# Altium PCB RTM_4SFP_3QSFP.PcbDoc (part 3 of 4) (continued)
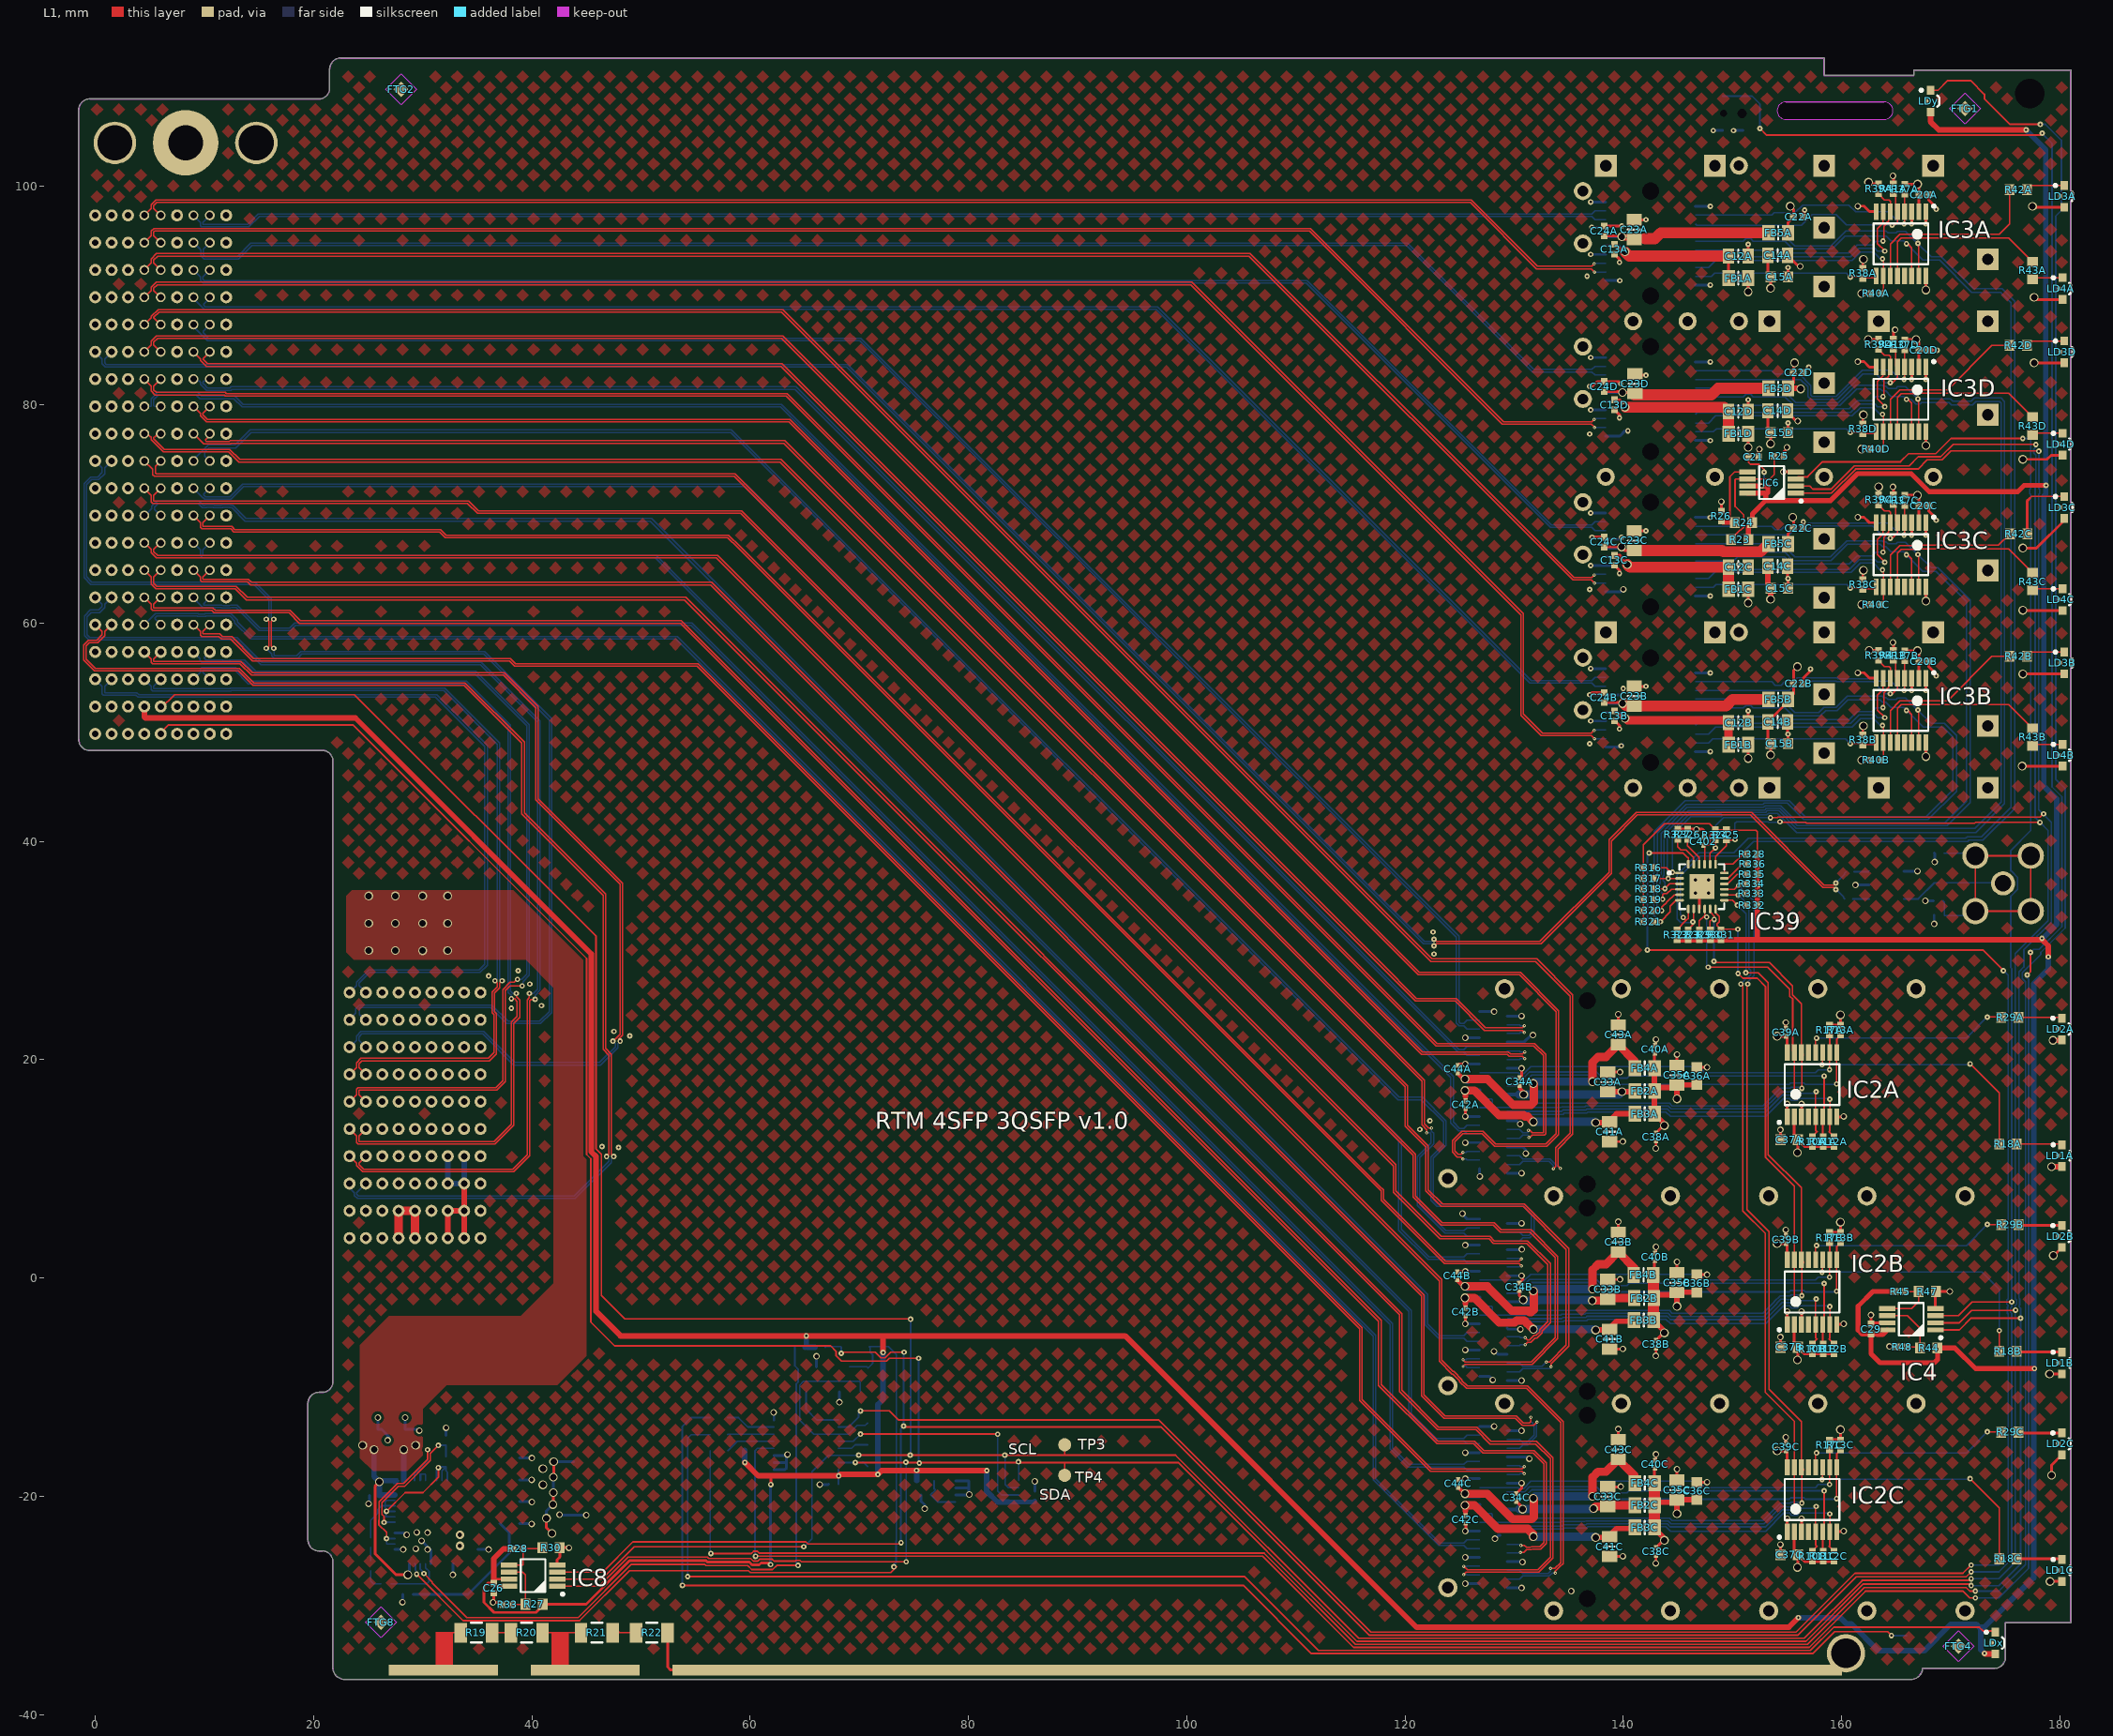
[diagram p0: L1 view]
## Nets (pads, with @x,y where several pads share a name; then routed paths per layer and width w, separated by ;. In a path a pad name is that pad's centre, name@x,y a point inside that pad or via, vN(x,y) a via of type N, cw(c..) or ccw(c..) an arc to the next point about the centre after c; other vN are vias at no path point) (continued)
  L1 w0.152: v1(29.454,-27.138) 33.713,-31.397 44.37,-31.397 48.949,-26.818 59.85,-26.818 60.027,-26.996 72.877,-26.996 73.431,-26.441
  L4 w0.152: IC1.38@29.266,-26.178 29.341,-26.254 29.341,-26.778 29.454,-26.892 v1(29.454,-27.138) ; T1.3@69.136,-8.139 70.7,-8.139 70.807,-8.245 R35.2@71.238,-7.814 71.238,-7.045 71,-6.807 71,-6.378 D1.2@70.911,-6.289 72.669,-6.289 73.406,-7.026 73.406,-24.048 73.385,-24.069 73.385,-25.963 73.431,-26.01 73.177,-26.264 v1(73.177,-26.467)
NetIC1_4: IC1.4 IC1.43 IC1.44 TP1.1 | length 16
  L1 w0.152: v1(26.691,-23.878) 26.691,-23.304 25.986,-22.6 25.986,-22.204 26.009,-22.181 26.009,-20.496 27.673,-18.832 28.252,-18.832 30.448,-16.636 v1(30.448,-15.735)
  L4 w0.152: IC1.43@27.466,-24.378 26.734,-24.378 26.691,-24.335 v1(26.691,-23.878) IC1.44@27.466,-23.878 ; IC1.4@29.266,-18.578 29.266,-17.916 TP1.1@30.303,-16.878 30.448,-16.734 v1(30.448,-15.735)
NetIC1_5: IC1.5 IC1.6 | length 2.2
  L4 w0.152: 29.816,-18.028 29.816,-18.528 IC1.5@29.766,-18.578 29.766,-17.978 30.21,-17.978 30.266,-18.035 IC1.6@30.266,-18.578
NetIC1_37: IC1.37 R46.2 T2.1 TP2.1 | length 59.4
  L1 w0.152: v1(30.115,-27.087) 30.877,-27.849 30.877,-27.947 34.047,-31.117 44.254,-31.117 49.133,-26.239 55.829,-26.239 55.952,-26.361 59.788,-26.361 60.143,-26.717 62.062,-26.717 62.439,-26.34 v1(64.389,-26.34)
  L4 w0.152: IC1.37@29.766,-26.178 29.766,-26.661 v1@30.013,-26.908 ; R46.2@64.091,-6.363 64.091,-8.044 T2.1@64.186,-8.139 64.389,-8.342 64.389,-9.551 64.237,-9.704 64.237,-26.187 v1(64.389,-26.34)
NetIC2A_11: IC2A.11 R18A.1 | length 23.2
  L1 w0.127: v1(158.217,19.533) 158.275,19.591 IC2A.11@158.275,20.65 ; v1(171.78,19.609) 174.441,16.948 R18A.1@174.441,12.275
  L4 w0.127: v1(158.217,19.533) 171.704,19.533 v1(171.78,19.609)
NetIC2A_12: IC2A.12 R29A.1 | length 19.1
  L1 w0.127: IC2A.12@157.625,20.65 157.625,21.887 v1(157.709,21.971) ; v1(173.355,23.901) 174.598,23.901 R29A.1@174.624,23.875
  L4 w0.127: v1(157.709,21.971) 171.425,21.971 v1(173.355,23.901)
NetIC2B_11: IC2B.11 R18B.1 | length 23.7
  L1 w0.127: v1(158.217,0.533) 158.275,0.591 IC2B.11@158.275,1.65 ; R18B.1@174.441,-6.725 v1@174.441,-4.825
  L4 w0.127: v1(158.217,0.533) 172.848,0.533 174.447,-1.067 v1(174.447,-4.825)
NetIC2B_12: IC2B.12 R29B.1 | length 19.1
  L1 w0.127: IC2B.12@157.625,1.65 157.625,2.887 v1(157.709,2.971) ; v1(173.355,4.901) 174.598,4.901 R29B.1@174.624,4.875
  L4 w0.127: v1(157.709,2.971) 171.425,2.971 v1(173.355,4.901)
NetIC2C_11: IC2C.11 R18C.1 | length 23.2
  L1 w0.127: v1(158.217,-18.467) 158.275,-18.409 IC2C.11@158.275,-17.35 ; v1(171.78,-18.391) 174.441,-21.052 R18C.1@174.441,-25.725
  L4 w0.127: v1(158.217,-18.467) 171.704,-18.467 v1(171.78,-18.391)
NetIC2C_12: IC2C.12 R29C.1 | length 19.1
  L1 w0.127: IC2C.12@157.625,-17.35 157.625,-16.113 v1(157.709,-16.029) ; v1(173.355,-14.099) 174.598,-14.099 R29C.1@174.624,-14.125
  L4 w0.127: v1(157.709,-16.029) 171.425,-16.029 v1(173.355,-14.099)
NetIC3A_11: IC3A.11 R42A.1 | length 17.7
  L1 w0.127: IC3A.11@164.475,91.8 164.475,94.737 165.345,95.607 166.637,95.607 166.651,95.621 174.462,95.621 175.399,96.557 R42A.1@175.399,99.691
NetIC3A_12: IC3A.12 R43A.1 | length 16.6
  L1 w0.127: IC3A.12@165.125,91.8 165.125,94.925 165.463,95.263 166.756,95.263 166.786,95.294 175.307,95.294 R43A.1@177.5,93.1
NetIC3B_11: IC3B.11 R42B.1 | length 15.9
  L1 w0.127: IC3B.11@164.475,49.05 164.475,51.987 165.345,52.857 166.637,52.857 166.651,52.87 169.715,52.87 173.785,56.941 R42B.1@175.399,56.941
NetIC3B_12: IC3B.12 R43B.1 | length 16.6
  L1 w0.127: IC3B.12@165.125,49.05 165.125,52.175 165.463,52.513 166.756,52.513 166.786,52.543 175.307,52.543 R43B.1@177.5,50.35
NetIC3C_11: IC3C.11 R42C.1 | length 14.7
  L1 w0.127: IC3C.11@164.475,63.3 164.475,66.237 165.345,67.107 166.637,67.107 166.651,67.12 174.372,67.12 R42C.1@175.425,68.174
NetIC3C_12: IC3C.12 R43C.1 | length 16.6
  L1 w0.127: IC3C.12@165.125,63.3 165.125,66.425 165.463,66.763 166.756,66.763 166.786,66.793 175.307,66.793 R43C.1@177.5,64.6
NetIC3D_11: IC3D.11 R42D.1 | length 15.9
  L1 w0.127: IC3D.11@164.475,77.55 164.475,80.487 165.345,81.357 166.637,81.357 166.651,81.37 169.715,81.37 173.785,85.441 R42D.1@175.399,85.441
NetIC3D_12: IC3D.12 R43D.1 | length 16.6
  L1 w0.127: IC3D.12@165.125,77.55 165.125,80.675 165.463,81.013 166.756,81.013 166.786,81.043 175.307,81.043 R43D.1@177.5,78.85
NetIC4_5: IC4.5 R45.1 R47.2 | length 5.3
  L1 w0.127: IC4.5@164.193,-2.81 166.421,-2.81 167.069,-2.162 R47.2@167.069,-1.245 R45.1@165.829,-1.245
NetIC4_6: IC4.6 R44.1 R48.2 | length 6.5
  L1 w0.152: IC4.6@164.193,-3.46 166.045,-3.46 167.196,-4.61 R44.1@167.196,-6.426 167.094,-6.325 R48.2@166.007,-6.325
NetIC6_5: IC6.5 R24.1 R26.2 | length 7.5
  L1 w0.152: R24.1@150.228,69.214 149.771,69.672 149.771,73.418 150.2,73.848 IC6.5@151.394,73.848
  L1 w0.45: R26.2@148.996,69.349 149.132,69.214 R24.1@150.228,69.214
NetIC6_6: IC6.6 R23.1 R25.2 | length 11.8
  L1 w0.152: R23.1@149.873,67.666 149.873,67.678 150.705,68.511 150.763,68.511 151.028,68.777 151.028,69.906 150.246,70.688 150.246,73.131 150.312,73.198 IC6.6@151.394,73.198 153.419,73.198 153.83,73.608 R25.2@153.83,75.286
NetIC8_5: IC8.5 R28.1 R30.2 | length 4.4
  L1 w0.127: IC8.5@37.925,-26.299 39.182,-26.299 39.192,-26.289 R28.1@39.192,-24.815 R30.2@40.856,-24.815
NetIC8_6: IC8.6 R27.1 R33.2 | length 5.5
  L1 w0.127: IC8.6@37.925,-26.949 39.166,-26.949 39.416,-27.198 R27.1@39.416,-29.895 39.39,-29.92 R33.2@38.227,-29.92
NetIC10_1: IC10.1 R73.1 R75.2 | length 4.1
  L4 w0.152: R73.1@76.868,-18.579 76.868,-19.318 76.987,-19.437 R75.2@76.546,-19.879 77.196,-20.529 IC10.1@78.818,-20.529
NetIC10_7: IC10.7 IC14.12 R74.1 | length 22.8
  L1 w0.152: v1(70.118,-14.312) 82.663,-14.312 v1(82.677,-14.326)
  L4 w0.152: IC14.12@68.086,-14.964 69.466,-14.964 v1(70.118,-14.312) R74.1@70.788,-14.312 ; v1(82.677,-14.326) 82.677,-19.533 83.023,-19.879 IC10.7@84.618,-19.879
NetIC14_4: IC14.4 PB1.1 PB1.2 R16.2 | length 301.6
  L1 w0.152: v1(60.503,-25.502) 106.958,-25.502 115.315,-33.858 157.034,-33.858 162.19,-28.702 171.14,-28.702 171.761,-29.323 v1(172.263,-29.323) ; v1(152.527,105.308) 153.137,104.699 178.206,104.699 v1(178.384,104.877) ; v1(177.009,27.758) 177.317,28.066 v1(177.317,29.82)
  L4 w0.152: v1(60.503,-25.502) 60.503,-25.641 60.458,-25.686 R16.2@60.458,-15.817 60.661,-15.614 IC14.4@62.186,-15.614 ; PB1.2@149.105,108.275 PB1.1@150.955,108.275 151.796,108.275 152.527,107.544 v1(152.527,105.308) ; v1(172.263,-29.323) 174.422,-29.323 177.136,-26.609 177.136,27.382 177.009,27.508 ; 176.911,27.508 177.009,27.606 v1(177.009,27.758) ; v1(177.317,29.82) 177.601,30.103 178.105,30.103 180.188,32.185 180.188,44.091 179.286,44.993 179.286,103.95 178.359,104.877 v1(178.384,104.877)
NetIC14_9: IC14.9 T2.3 | length 5
  L4 w0.152: T2.3@65.136,-10.439 65.136,-12.05 66.1,-13.014 IC14.9@68.086,-13.014
NetIC14_13: IC14.13 R15.2 | length 2.8
  L4 w0.152: IC14.13@68.086,-15.614 69.298,-15.614 69.623,-15.289 R15.2@70.788,-15.289
NetIC39_18: IC39.18 R328.2 | length 3.3
  L1 w0.127: IC39.18@149.26,37.105 149.26,37.905 150.06,37.905 150.855,38.7 150.855,38.83 R328.2@151.345,38.83
NetIC39_22: IC39.22 R326.2 | length 2.7
  L1 w0.127: R326.2@145.9,40.177 145.9,39.6 146.96,38.54 IC39.22@146.96,37.905
NetIC39_23: IC39.23 R327.2 | length 3.1
  L1 w0.127: R327.2@145,40.177 145,39.53 145.3,39.23 145.745,39.23 146.46,38.515 IC39.23@146.46,37.905
NetJ2_e2: J2.E2 J2.F1
NetLD1A_1: LD1A.1 R18A.2 | length 4.2
  L1 w0.127: R18A.2@176.041,12.275 180.113,12.275 LD1A.1@180.188,12.2
NetLD1B_1: LD1B.1 R18B.2 | length 4.2
  L1 w0.254: R18B.2@176.041,-6.725 176.116,-6.8 LD1B.1@180.188,-6.8
NetLD1C_1: LD1C.1 R18C.2 | length 4.2
  L1 w0.254: R18C.2@176.041,-25.725 180.113,-25.725 LD1C.1@180.188,-25.8
NetLD2A_2: LD2A.2 R29A.2 | length 4
  L1 w0.127: R29A.2@176.224,23.875 180.125,23.875 LD2A.2@180.2,23.8
NetLD2B_2: LD2B.2 R29B.2 | length 4
  L1 w0.254: R29B.2@176.224,4.875 176.299,4.8 LD2B.2@180.2,4.8
NetLD2C_2: LD2C.2 R29C.2 | length 4
  L1 w0.254: R29C.2@176.224,-14.125 176.299,-14.2 LD2C.2@180.2,-14.2
NetLD3A_1: LD3A.1 R42A.2 | length 3.6
  L1 w0.127: R42A.2@176.999,99.691 177.399,100.091 LD3A.1@180.399,100.091
NetLD3B_1: LD3B.1 R42B.2 | length 3.6
  L1 w0.127: R42B.2@176.999,56.941 177.399,57.341 LD3B.1@180.399,57.341
NetLD3C_1: LD3C.1 R42C.2 | length 6.6
  L1 w0.127: 177.224,71.416 177.399,71.591 LD3C.1@180.399,71.591
  L1 w0.254: R42C.2@177.025,68.174 177.025,71.217 177.224,71.416
NetLD3D_1: LD3D.1 R42D.2 | length 3.6
  L1 w0.127: R42D.2@176.999,85.441 177.399,85.841 LD3D.1@180.399,85.841
NetLD4A_2: LD4A.2 R43A.2 | length 2.8
  L1 w0.127: R43A.2@177.5,91.5 177.641,91.641 LD4A.2@180.249,91.641
NetLD4B_2: LD4B.2 R43B.2 | length 2.8
  L1 w0.127: R43B.2@177.5,48.75 177.641,48.891 LD4B.2@180.249,48.891
NetLD4C_2: LD4C.2 R43C.2 | length 2.8
  L1 w0.127: R43C.2@177.5,63 177.641,63.141 LD4C.2@180.249,63.141
NetLD4D_2: LD4D.2 R43D.2 | length 2.8
  L1 w0.127: R43D.2@177.5,77.25 177.641,77.391 LD4D.2@180.249,77.391
NetR4_1: R4.1 R5.2 | length 2
  L4 w0.152: R4.1@25.241,-26.848 25.241,-27.76 25.51,-28.028 R5.2@26.171,-28.028
NetR19_2: R19.2 R20.1 | length 1.7
  L1 w0.152: R19.2@36.373,-32.5 R20.1@38.087,-32.5
NetR21_2: R21.2 R22.1 | length 1.6
  L1 w0.152: 48,-32.45 48.05,-32.5 R22.1@49.55,-32.5
P2_BLUE: LDy.2 R7.2 | length 284.5
  L1 w0.152: v1(56.413,-25.248) 60.116,-25.248 60.315,-25.048 60.691,-25.048 60.864,-25.222 107.11,-25.222 115.466,-33.579 156.886,-33.579 162.093,-28.372 171.423,-28.372 171.747,-28.696 v1(172.263,-28.696) ; LDy.2@168.148,108.823 168.843,108.823 169.723,109.703 171.833,109.703 173.093,108.443 173.093,108.03 175.434,105.689 v1(178.206,105.689)
  L4 w0.152: R7.2@56.336,-15.817 56.336,-25.17 v1(56.413,-25.248) ; v1(172.263,-28.696) 174.422,-28.696 176.856,-26.262 176.856,27.151 176.556,27.451 176.556,27.946 178.257,29.647 178.257,29.824 180.492,32.059 180.492,44.832 179.62,45.704 179.62,97.274 180.137,97.791 180.137,104.242 178.689,105.689 v1(178.206,105.689)
P3_GREEN: LDx.2 R8.2 | length 138.6
  L1 w0.152: v1(54.28,-27.356) 105.283,-27.356 112.065,-34.138 157.15,-34.138 159.283,-32.004 172.618,-32.004 172.948,-32.335 173.984,-32.335 LDx.2@174.1,-32.45
  L4 w0.152: v1(54.28,-27.356) 54.28,-14.681 54.603,-14.358 R8.2@56.336,-14.358
P3V3: C1.2 C2.2 C3.2 C4.2 C5.1 C9.2 C14A.1 C14B.1 C14C.1 C14D.1 C15A.2 C15B.2 C15C.2 C15D.2 C20A.1 C20B.1 C20C.1 C20D.1 C22A.1 C22B.1 C22C.1 C22D.1 C35A.1 C35B.1 C35C.1 C36A.2 C36B.2 C36C.2 C37A.2 C37B.2 C37C.2 C38A.1 C38B.1 C38C.1 C39A.1 C39B.1 C39C.1 C40A.1 C40B.1 C40C.1 FB1A.1 FB1B.1 FB1C.1 FB1D.1 FB2A.1 FB2B.1 FB2C.1 FB3A.1 FB3B.1 FB3C.1 FB4A.1 FB4B.1 FB4C.1 FB5A.1 FB5B.1 FB5C.1 FB5D.1 IC1.12 IC1.13 IC1.14 IC1.15 IC1.16 IC1.17 IC1.18 IC1.19 IC1.20 IC1.21 IC2A.2 IC2A.16 IC2B.2 IC2B.16 IC2C.2 IC2C.16 IC3A.2 IC3A.16 IC3B.2 IC3B.16 IC3C.2 IC3C.16 IC3D.2 IC3D.16 LD1A.2 LD1B.2 LD1C.2 LD2A.1 LD2B.1 LD2C.1 LD3A.2 LD3B.2 LD3C.2 LD3D.2 LD4A.1 LD4B.1 LD4C.1 LD4D.1 R1.2 R10A.1 R10B.1 R10C.1 R11A.1 R11B.1 R11C.1 R12A.1 R12B.1 R12C.1 R13A.1 R13B.1 R13C.1 R17A.1 R17B.1 R17C.1 R37A.2 R37B.2 R37C.2 R37D.2 R38A.2 R38B.2 R38C.2 R38D.2 R39A.2 R39B.2 R39C.2 R39D.2 R40A.2 R40B.2 R40C.2 R40D.2 | length 194.4
  L1 w0.254: v3(41.341,-22.02) 41.341,-22.896 v3(41.849,-23.404) ; v3(41.926,-20.762) 41.976,-20.712 v3(41.976,-19.67) ; v3(41.976,-18.248) 42.002,-18.222 v3(42.002,-16.837) ; FB4C.1@142.861,-18.558 C40C.1@142.861,-17.415 ; FB4B.1@142.861,0.442 C40B.1@142.861,1.585 ; FB4A.1@142.861,19.225 C40A.1@142.861,20.585 ; C38C.1@143.002,-24.721 143.685,-24.038 v3(143.764,-24.038) ; C38B.1@143.002,-5.721 143.685,-5.038 v3(143.764,-5.038) ; C38A.1@143.002,13.279 143.685,13.962 v3(143.764,13.962) ; v3(151.45,47.598) FB1B.1@151.45,48.85 ; v3(151.45,61.848) FB1C.1@151.45,63.1 ; v3(151.45,76.098) FB1D.1@151.45,77.35 ; v3(151.45,90.348) FB1A.1@151.45,91.6 ; C14D.1@153.25,79.45 153.25,77.7 C15D.2@153.5,77.45 v3(153.5,76.423) ; C14A.1@153.25,93.7 153.25,91.95 C15A.2@153.5,91.7 v3(153.5,90.673) ; v3(153.5,47.923) C15B.2@153.5,48.95 153.25,49.2 C14B.1@153.25,50.95 155.1,52.8 FB5B.1@155.1,53 155.6,53.5 C22B.1@155.6,54.45 155.6,55.638 v3(155.961,55.999) ; v3(154.1,-15.85) C39C.1@154.9,-15.85 155.025,-15.975 IC2C.16@155.025,-17.35 ; v3(154.1,3.15) C39B.1@154.9,3.15 155.025,3.025 IC2B.16@155.025,1.65 ; v3(154.1,22.15) C39A.1@154.9,22.15 155.025,22.025 IC2A.16@155.025,20.65 ; FB5C.1@155.1,67.25 155.1,68.2 C22C.1@155.6,68.7 155.6,69.888 155.524,69.813 v3(155.524,69.7) ; FB5D.1@155.1,81.5 155.6,82 C22D.1@155.6,82.95 155.6,83.744 v3(155.701,83.845) ; FB5A.1@155.1,95.75 155.1,96.7 C22A.1@155.6,97.2 155.6,97.892 v3(155.296,98.196) ; IC2C.2@155.675,-23.25 155.675,-25.032 C37C.2@155.994,-25.351 ; IC2B.2@155.675,-4.25 155.675,-6.032 C37B.2@155.994,-6.351 ; IC2A.2@155.675,14.75 155.675,12.968 C37A.2@155.994,12.649 ; v3(155.961,-26.519) 155.994,-26.486 C37C.2@155.994,-25.351 ; v3(155.961,-7.519) 155.994,-7.486 C37B.2@155.994,-6.351 ; v3(155.961,11.481) 155.994,11.514 C37A.2@155.994,12.649 ; R17C.1@158.9,-14.83 R13C.1@159.9,-14.83 v3(159.9,-13.9) ; R17B.1@158.9,4.17 R13B.1@159.9,4.17 v3(159.9,5.1) ; R17A.1@158.9,23.17 R13A.1@159.9,23.17 v3(159.9,24.1) ; R12C.1@159.3,-25.97 R11C.1@158.313,-25.97 156.613,-25.97 C37C.2@155.994,-25.351 ; R12B.1@159.3,-6.97 R11B.1@158.313,-6.97 156.613,-6.97 C37B.2@155.994,-6.351 ; R12A.1@159.3,12.03 R11A.1@158.313,12.03 156.613,12.03 C37A.2@155.994,12.649 ; v3(161.85,47.441) R40B.2@162.679,47.441 ; v3(161.85,61.691) R40C.2@162.679,61.691 ; v3(161.85,75.941) R40D.2@162.679,75.941 ; v3(161.85,90.191) R40A.2@162.679,90.191 ; R38B.2@161.949,49.761 161.949,50.524 v3(162,50.575) ; R38C.2@161.949,64.011 161.949,64.774 v3(162,64.825) ; R38D.2@161.949,78.261 161.949,79.024 v3(162,79.075) ; R38A.2@161.949,92.511 161.949,93.274 v3(162,93.325) ; v3(162.449,85.961) 163.349,85.961 R39D.2@163.399,86.011 ; v3(162.475,100.381) 162.595,100.261 R39A.2@163.399,100.261 ; v3(162.535,57.491) 163.182,57.491 R39B.2@163.202,57.511 ; 163.004,57.511 R39B.2@163.202,57.511 ; R39C.2@163.349,71.711 R39C.2@163.399,71.761 163.399,72.466 v3(163.4,72.467) ; R39B.2@163.399,57.511 R39B.2@163.202,57.511 ; R37B.2@165.799,57.461 v3(166.948,57.461) 167.1,57.309 C20B.1@167.1,56.5 167.075,56.475 IC3B.2@167.075,54.95 ; R37C.2@165.799,71.711 v3(166.949,71.711) 167.075,71.585 IC3C.2@167.075,69.2 ; R37D.2@165.799,85.961 v3(166.825,85.961) 167.1,85.686 C20D.1@167.1,85 167.1,83.475 IC3D.2@167.075,83.45 ; R37A.2@165.799,100.211 v3(166.975,100.211) 167.1,100.085 167.1,99.668 167.075,99.643 IC3A.2@167.075,97.7 ; v3(167.725,47.773) IC3B.16@167.725,49.05 ; v3(167.725,62.023) IC3C.16@167.725,63.3 ; v3(167.725,76.273) IC3D.16@167.725,77.55 ; v3(167.725,90.523) IC3A.16@167.725,91.8 ; v3(176.556,46.896) 176.561,46.891 LD4B.1@180.249,46.891 ; v3(176.606,55.326) 176.621,55.341 LD3B.2@180.399,55.341 ; v3(176.606,61.179) 176.644,61.141 LD4C.1@180.249,61.141 ; v3(176.606,66.875) 177.872,66.875 180.399,69.402 LD3C.2@180.399,69.591 ; v3(176.606,75) 178.825,75 179.2,75.375 180.233,75.375 LD4D.1@180.249,75.391 ; v3(177.5,98.175) 177.584,98.091 LD3A.2@180.399,98.091 ; v3(177.641,83.845) 177.645,83.841 LD3D.2@180.399,83.841 ; v3(177.641,89.85) 177.85,89.641 LD4A.1@180.249,89.641 ; v3(179.056,-8.8) LD1B.2@180.188,-8.8 ; v3(179.095,-27.813) 179.108,-27.8 LD1C.2@180.188,-27.8 ; v3(179.25,-18.077) 179.25,-17.15 LD2C.1@180.2,-16.2 ; v3(179.4,2.057) 179.457,2.057 LD2B.1@180.2,2.8
  L1 w0.5: FB3C.1@142.861,-22.963 143.764,-23.867 v3(143.764,-24.038) ; FB3B.1@142.861,-3.963 143.764,-4.867 v3(143.764,-5.038) ; FB4A.1@142.861,19.225 FB2A.1@142.861,17.131 ; FB2C.1@143.178,-20.551 144.705,-20.551 C35C.1@144.924,-20.333 ; FB2B.1@143.178,-1.551 144.705,-1.551 C35B.1@144.924,-1.333 ; v3(143.764,13.962) 143.764,14.133 FB3A.1@142.861,15.037 FB2A.1@142.861,17.131 ; v3(144.924,-21.6) C35C.1@144.924,-20.333 ; v3(144.924,-2.6) C35B.1@144.924,-1.333 ; v3(144.924,16.4) C35A.1@144.924,17.667 ; C36C.2@146.753,-20.309 144.948,-20.309 C35C.1@144.924,-20.333 ; C36B.2@146.753,-1.309 144.948,-1.309 C35B.1@144.924,-1.333 ; C36A.2@146.753,17.691 144.948,17.691 C35A.1@144.924,17.667 ; v3(179.25,10.185) 179.265,10.2 LD1A.2@180.188,10.2 ; v3(179.375,21.768) 180.168,21.768 LD2A.1@180.2,21.8 ; FB2A.1@142.861,17.131 143.178,17.449 144.705,17.449 C35A.1@144.924,17.667
  L1 w0.508: C14C.1@153.25,65.2 153.25,63.45 C15C.2@153.5,63.2 v3(153.5,62.173) ; FB5D.1@155.1,81.5 156.219,81.5 v3(156.261,81.458)
  L1 w1.016: FB4B.1@142.759,0.279 142.759,-3.835 FB3B.1@142.784,-3.861 ; FB3C.1@142.861,-22.86 FB2C.1@142.861,-20.828 FB4C.1@142.861,-18.796
  L4 w0.254: R1.2@29.141,-28.998 34.144,-28.998 37.925,-25.217 37.925,-23.337 C1.2@37.091,-22.503 ; v3(41.341,-22.02) 41.341,-21.347 v3(41.926,-20.762) ; v3(41.976,-19.67) v3(41.976,-18.248) ; v3(42.002,-16.837) 42.011,-16.828 C5.1@43.841,-16.828 ; v3@179.019,-8.763 v3(179.056,-8.8)
  other v3: 41.012,-18.959 41.016,-17.48
P3V3MP: C21.1 C25.1 C26.1 C27.1 C29.1 C402.2 IC4.8 IC6.7 IC6.8 IC8.7 IC8.8 IC10.8 IC14.16 IC39.21 J2.C2 LDx.1 LDy.1 LED17.A R14.1 R15.1 R16.1 R23.2 R24.2 R27.2 R28.2 R31.1 R32.1 R34.1 R35.1 R36.1 R44.2 R45.2 R46.1 R73.2 R74.2 R316.2 R317.2 R318.2 R319.2 R320.2 R321.2 R322.2 R323.2 R324.2 R325.2 R328.1 R329.2 R330.2 R331.2 R332.2 R333.2 R334.2 R335.2 R336.2 | length 616.9
  L1 w0.127: R321.2@141.851,32.65 R317.2@141.851,36.605 R316.2@141.851,37.6 141.851,39.682 143.791,41.623 147.897,41.623 R324.2@148.45,41.07 ; R323.2@145.935,30.975 R330.2@147.995,30.975 R331.2@148.955,30.975 148.957,30.973 149.708,30.973 ; IC39.21@147.46,37.905 147.46,39.54 C402.2@147.35,39.65 147.95,39.65 147.95,39.725 147.924,39.751 147.924,40.535 147.95,40.561 147.95,40.57 R324.2@148.45,41.07 ; R328.1@152.285,38.83 152.285,40.886 152.159,41.012 149.513,41.012 R325.2@149.455,41.07 R324.2@148.45,41.07
  L1 w0.152: C21.1@151.493,75.209 151.493,74.699 151.643,74.549 152.425,74.549 152.908,74.066 v1(152.908,73.812)
  L1 w0.254: 36.507,-27.512 36.594,-27.599 IC8.7@37.925,-27.599 ; IC8.8@37.925,-28.249 36.784,-28.249 C26.1@36.507,-27.972 35.949,-27.972 35.611,-28.31 35.611,-29.718 36.542,-30.649 40.395,-30.649 41.016,-30.028 R27.2@41.016,-29.895 44.977,-29.895 48.963,-25.908 55.966,-25.908 56.089,-26.031 59.924,-26.031 60.178,-26.285 60.827,-26.285 61.001,-26.111 61.722,-26.111 v1(61.874,-26.264) ; 61.849,-18.136 61.9,-18.186 v1(61.9,-18.93)
  L1 w0.45: IC6.8@151.394,71.898 152.918,71.898 153.06,71.755 ; IC6.7@151.394,72.548 v1(152.685,72.548) 153.25,72.548 153.25,71.945 153.06,71.755 ; R23.2@151.473,67.666 151.473,68.859 R24.2@151.828,69.214 151.828,69.996 153.06,71.228 ; IC4.8@164.193,-4.76 163.768,-5.185 163.273,-5.185 163.223,-5.135 C29.1@162.713,-5.135 ; R45.2@164.929,-1.245 162.872,-1.245 161.519,-2.598 161.519,-4.775 161.878,-5.135 C29.1@162.713,-5.135 ; v1(177.673,-8.306) 172.274,-8.306 170.395,-6.426 R44.2@168.796,-6.426 168.796,-7.482 168.505,-7.772 163.532,-7.772 162.713,-6.954 C29.1@162.713,-5.135 ; v1(178.74,72.619) 176.733,72.619 176.149,72.034 168.021,72.034 166.37,73.685 161.468,73.685 159.011,71.228 153.06,71.228 ; 153.06,71.228 153.06,71.755
  L1 w0.508: J2.C2@4.5,52.35 4.5,51.404 4.596,51.308 23.837,51.308 45.459,29.686 45.459,11.555 45.891,11.124 45.891,-3.066 48.133,-5.309 v1(65.151,-5.309) 72.187,-5.309 ; C26.1@36.507,-27.972 36.507,-27.512 36.507,-25.722 37.414,-24.815 R28.2@38.292,-24.815 ; v1(59.518,-16.91) 60.743,-18.136 61.849,-18.136 v1(68.123,-18.136) 68.25,-18.009 v1(71.704,-18.009) 72.06,-17.653 v1(81.686,-17.653) ; v1(72.187,-6.833) 72.187,-5.309 ; R322.2@144.928,30.975 144.953,31 152.285,31 R332.2@152.285,34.155 R328.1@152.285,38.83 ; 149.708,30.973 178.399,30.973 178.946,30.426 v1(178.946,29.413) ; v1(156.05,-31.126) 155.172,-32.004 121.056,-32.004 94.361,-5.309 72.187,-5.309 ; LDy.1@168.148,106.823 168.148,105.943 168.91,105.181 v1(176.911,105.181) ; v1(173.101,-34.4) 173.151,-34.45 LDx.1@174.1,-34.45
  L4 w0.152: C27.1@68.086,-18.889 IC14.16@68.086,-17.564 ; v1(152.685,72.548) 152.908,72.771 v1(152.908,73.812)
  L4 w0.254: v1(61.874,-26.264) 61.874,-18.955 v1(61.9,-18.93)
  L4 w0.45: 83.668,-20.529 IC10.8@84.618,-20.529 86.017,-20.529 C25.1@86.106,-20.44
  L4 w0.508: v1(59.518,-16.91) R16.1@59.518,-15.817 ; R46.1@65.031,-6.363 R46.1@65.151,-6.243 ; v1(65.151,-5.309) R46.1@65.151,-6.243 ; R34.1@65.941,-6.363 65.271,-6.363 R46.1@65.151,-6.243 ; v1(71.704,-18.009) 71.704,-17.704 71.708,-17.7 71.708,-15.289 R14.1@71.708,-13.289 R36.1@71.708,-12.183 71.708,-11.604 72.178,-11.134 R35.1@72.178,-7.814 72.178,-6.841 v1(72.187,-6.833) ; v1(75.26,-17.628) 75.268,-17.636 R73.2@75.268,-18.579 ; v1(81.686,-17.653) 81.686,-19.558 82.657,-20.529 83.668,-20.529 ; v1(156.05,-31.126) 159.889,-31.126 160.444,-31.681 160.891,-31.681 163.373,-34.163 LED17.A@165.989,-34.163 167.571,-34.163 170.012,-31.721 172.335,-31.721 172.63,-32.016 ; v1(173.101,-34.4) 172.769,-34.068 172.769,-32.155 172.63,-32.016 ; v1(176.911,105.181) 178.71,103.382 178.71,71.785 178.537,71.611 178.537,45.06 179.705,43.891 179.705,32.385 v1@178.397,31.077 ; v1(178.946,29.413) 178.946,28.294 177.6,26.948 177.6,-27.479 173.064,-32.016 172.63,-32.016
  other v1: 178.359,31.115
P4_RED: LED17.K R9.2 | length 133.2
  L1 w0.152: v1(53.797,-28.169) 105.181,-28.169 111.43,-34.417 157.353,-34.417 159.36,-32.41 164.211,-32.41 v1(164.567,-32.766)
  L4 w0.152: v1(53.797,-28.169) 53.797,-13.589 54.592,-12.794 R9.2@56.336,-12.794 ; v1(164.567,-32.766) LED17.K@165.989,-32.766
P7V0_URFB: J8.E7 J8.E8 J8.E9 J8.E10 J8.F7 J8.F8 J8.F9 J8.F10 | length 15.5
  L1 w0.5: J8.E10@32.3,3.65 J8.E9@32.3,6.15 J8.F9@33.8,6.15 ; J8.F10@33.8,3.65 J8.F9@33.8,6.15 ; J8.F8@33.8,8.65 J8.F9@33.8,6.15
  L4 w0.5: J8.E7@32.3,11.15 J8.E8@32.3,8.65 J8.F8@33.8,8.65 J8.F7@33.8,11.15
P12V0: C6.2 C7.2 C8.2 IC1.1 IC1.2 IC1.39 IC1.52 J2.A1 J2.A2 J2.B1 J2.B2 | length 21.8
  L1 w0.254: v3(26.041,-18.685) 25.631,-19.095 25.631,-25.263 27.573,-27.205 v3(28.641,-27.205)
  L4 w0.254: 27.441,-18.578 IC1.1@27.766,-18.578 ; v3@28.766,-27.08 28.766,-26.778 IC1.39@28.766,-26.178
  L4 w0.508: v3(25.541,-15.735) 25.541,-18.185 25.935,-18.578 27.441,-18.578 ; v3(26.041,-18.685) C8.2@26.041,-19.928 26.091,-19.878 IC1.52@27.466,-19.878 ; IC1.2@28.266,-18.578 v3(28.266,-15.735)
  other v3: 24.501,-15.34 29.362,-15.333 25.056,29.995 27.491,29.991 29.995,29.986 32.291,29.991 25.06,32.495 27.491,32.491 29.995,32.495 32.295,32.491 25.065,34.995 27.495,34.995 29.995,34.991 32.295,34.991
QSFP_SCLA: IC2A.14 IC39.11 J5A.11 R330.1 | length 51.9
  L1 w0.127: IC39.11@147.96,33.805 147.96,33.548 148.141,33.366 148.141,33.348 ; R330.1@147.995,31.915 147.96,31.95 147.96,32.671 v1@148.141,32.852 ; 152.806,28.905 153.391,28.905 155.524,26.772 155.524,25.933 156.325,25.133 IC2A.14@156.325,20.65 156.534,20.441 156.534,20.422 156.362,20.25 v1(156.362,17.374)
  L1 w0.152: 148.133,33.357 148.141,33.348 148.326,33.164 148.326,32.852 v1(148.336,32.842) ; v1(148.311,29.007) 148.412,28.905 152.806,28.905
  L4 w0.127: J5A.11@129.355,16 144.236,16 144.478,15.758 152.789,15.758 153.822,16.792 153.822,16.817 154.379,17.374 155.283,17.374 155.368,17.458 156.278,17.458 v1(156.362,17.374)
  L4 w0.152: v1(148.311,29.007) 148.311,32.826 148.327,32.842 v1(148.336,32.842)
QSFP_SCLB: IC2B.14 IC39.13 J5B.11 R332.1 | length 69.2
  L1 w0.127: IC39.13@149.26,34.605 150.005,34.605 v1(150.455,34.155) R332.1@151.345,34.155 ; v1(151.237,27.965) 152.375,27.965 153.293,27.047 153.293,11.299 156.325,8.267 IC2B.14@156.325,1.65 156.534,1.441 156.534,1.422 156.362,1.25 v1(156.362,-1.626)
  L4 w0.127: J5B.11@129.355,-3 144.236,-3 144.478,-3.242 152.789,-3.242 153.822,-2.208 153.822,-2.183 154.379,-1.626 155.283,-1.626 155.368,-1.542 156.278,-1.542 v1(156.362,-1.626) ; v1(150.455,34.155) 151.237,33.373 v1(151.237,27.965)
QSFP_SCLC: IC2C.14 IC39.15 J5C.11 R334.1 | length 89.6
  L1 w0.127: IC39.15@149.26,35.605 150.17,35.605 v1@150.539,35.974 ; v1@150.67,36.105 R334.1@151.315,36.105 ; v1(151.409,26.925) 151.333,26.849 151.333,6.274 153.365,4.242 153.365,-10.185 156.325,-13.145 IC2C.14@156.325,-17.35 156.534,-17.559 156.534,-17.578 156.362,-17.75 v1(156.362,-20.626)
  L4 w0.127: J5C.11@129.355,-22 144.236,-22 144.478,-22.242 152.789,-22.242 153.822,-21.208 153.822,-21.183 154.379,-20.626 155.283,-20.626 155.368,-20.542 156.278,-20.542 v1(156.362,-20.626) ; v1(150.571,35.941) 151.981,34.531 151.981,27.691 151.409,27.119 v1(151.409,26.925)
QSFP_SDAA: IC2A.15 IC39.10 J5A.12 R329.1 | length 52.7
  L1 w0.127: R329.1@146.975,31.915 146.975,32.71 v1@147.46,33.195 ; IC39.10@147.46,33.805 v1@147.46,33.195 ; v1(147.65,33.071) 147.635,33.071 147.609,33.045 v1@147.46,33.195 ; v1(147.785,28.473) 153.238,28.473
  L1 w0.152: 153.238,28.473 155.257,26.454 155.257,25.823 155.537,25.544 155.537,20.788 IC2A.15@155.675,20.65 155.675,16.715 v1(155.677,16.713)
  L4 w0.127: v1(147.785,28.473) 147.65,28.608 v1(147.65,33.071) 147.759,33.071 v1@147.785,33.045
  L4 w0.152: J5A.12@129.355,15.2 129.421,15.265 134.355,15.265 134.473,15.383 136.577,15.383 136.673,15.479 144.021,15.479 144.313,15.187 153.026,15.187 154.394,16.555 154.394,16.58 154.565,16.751 154.807,16.751 154.823,16.735 155.36,16.735 155.483,16.612 155.585,16.713 v1(155.677,16.713)
QSFP_SDAB: IC2B.15 IC39.12 J5B.12 R331.1 | length 68.3
  L1 w0.127: IC39.12@148.46,33.805 148.46,33.443 148.802,33.101 148.802,32.649 148.582,32.429 148.582,32.289 R331.1@148.955,31.915
  L1 w0.152: R331.1@148.955,31.915 148.993,31.953 v1(150.495,31.953) ; v1(150.52,27.889) 150.952,27.457 152.275,27.457 153.026,26.706 153.026,11.058 155.675,8.409 IC2B.15@155.675,1.65 155.675,-2.285 v1(155.677,-2.287)
  L4 w0.152: J5B.12@129.355,-3.8 129.421,-3.735 134.355,-3.735 134.473,-3.617 136.577,-3.617 136.673,-3.521 144.021,-3.521 144.313,-3.813 153.026,-3.813 154.394,-2.445 154.394,-2.42 154.565,-2.249 154.807,-2.249 154.823,-2.265 155.36,-2.265 155.483,-2.388 155.585,-2.287 v1(155.677,-2.287) ; v1(150.495,31.953) 150.495,27.915 v1(150.52,27.889)
QSFP_SDAC: IC2C.15 IC39.14 J5C.12 R333.1 | length 88.8
  L1 w0.127: IC39.14@149.26,35.105 150.55,35.105 151.195,35.105 R333.1@151.315,35.225
  L1 w0.152: v1(150.774,26.924) 150.877,26.924 150.956,26.845 150.956,6.143 153.01,4.089 153.01,-10.476 155.675,-13.142 IC2C.15@155.675,-17.35 155.675,-21.285 v1(155.677,-21.287)
  L4 w0.152: J5C.12@129.355,-22.8 129.421,-22.735 134.355,-22.735 134.473,-22.617 136.577,-22.617 136.673,-22.521 144.021,-22.521 144.313,-22.813 153.026,-22.813 154.394,-21.445 154.394,-21.42 154.565,-21.249 154.807,-21.249 154.823,-21.265 155.36,-21.265 155.483,-21.388 155.585,-21.287 v1(155.677,-21.287) ; v1(150.55,35.077) 151.504,34.123 151.504,28.34 151.691,28.153 151.691,27.778 151.425,27.512 151.356,27.512 150.774,26.931 v1(150.774,26.924)
QSFP_VCC1A: C43A.1 C44A.1 FB4A.2 J5A.30 | length 24.2
  L1 w0.4: C44A.1@124.816,18.776 v3@125.157,18.435 ; v3@125.489,18.2 v3@125.514,18.2
  L1 w0.762: v3(125.489,18.225) 127.545,18.225 129.921,15.85 131.55,15.85 131.801,16.1 131.801,17.755 v3(131.75,17.805) ; v3(137.185,17.983) 137.185,19.736 137.693,20.244 138.416,20.244 C43A.1@139.548,21.376 140.998,19.926 140.998,19.225 FB4A.2@141.061,19.225
  L4 w0.35: v3@125.742,18 J5A.30@126.845,18
  L4 w0.5: v3(125.489,18.225) 125.714,18 v3@125.742,18
  L4 w0.762: v3(131.75,17.805) 131.928,17.983 v3(137.185,17.983)
QSFP_VCC1B: C43B.1 C44B.1 FB4B.2 J5B.30 | length 24.2
  L1 w0.4: C44B.1@124.816,-0.224 v3@125.157,-0.565 ; v3@125.489,-0.8 v3@125.514,-0.8
  L1 w0.762: v3(125.489,-0.775) 127.545,-0.775 129.773,-3.002 131.284,-3.002 131.433,-3.15 131.55,-3.15 131.801,-2.9 131.801,-1.245 v3(131.75,-1.195) ; v3(137.185,-1.017) 137.185,0.736 137.693,1.244 138.416,1.244 C43B.1@139.548,2.376 140.998,0.926 140.998,0.279 140.998,0.225 FB4B.2@141.061,0.225
  L4 w0.35: v3@125.742,-1 J5B.30@126.845,-1
  L4 w0.5: v3(125.489,-0.775) 125.714,-1 v3@125.742,-1
  L4 w0.762: v3(131.75,-1.195) 131.928,-1.017 v3(137.185,-1.017)
QSFP_VCC1C: C43C.1 C44C.1 FB4C.2 J5C.30 | length 24.5
  L1 w0.35: C44C.1@124.866,-19.197 124.911,-19.197 v3(125.489,-19.775)
  L1 w0.762: v3(125.489,-19.775) 127.545,-19.775 129.87,-22.1 131.601,-22.1 131.801,-21.9 131.801,-20.245 v3(131.75,-20.195) ; v3(137.185,-20.017) 137.185,-18.264 137.693,-17.756 138.416,-17.756 C43C.1@139.548,-16.624 140.998,-18.074 140.998,-18.775 FB4C.2@141.061,-18.775
  L4 w0.35: v3(125.489,-19.775) 125.714,-20 J5C.30@126.845,-20
  L4 w0.762: v3(131.75,-20.195) 131.928,-20.017 v3(137.185,-20.017)